# Altium PCB Digital_Optical.PcbDoc (part 3 of 3) (continued)
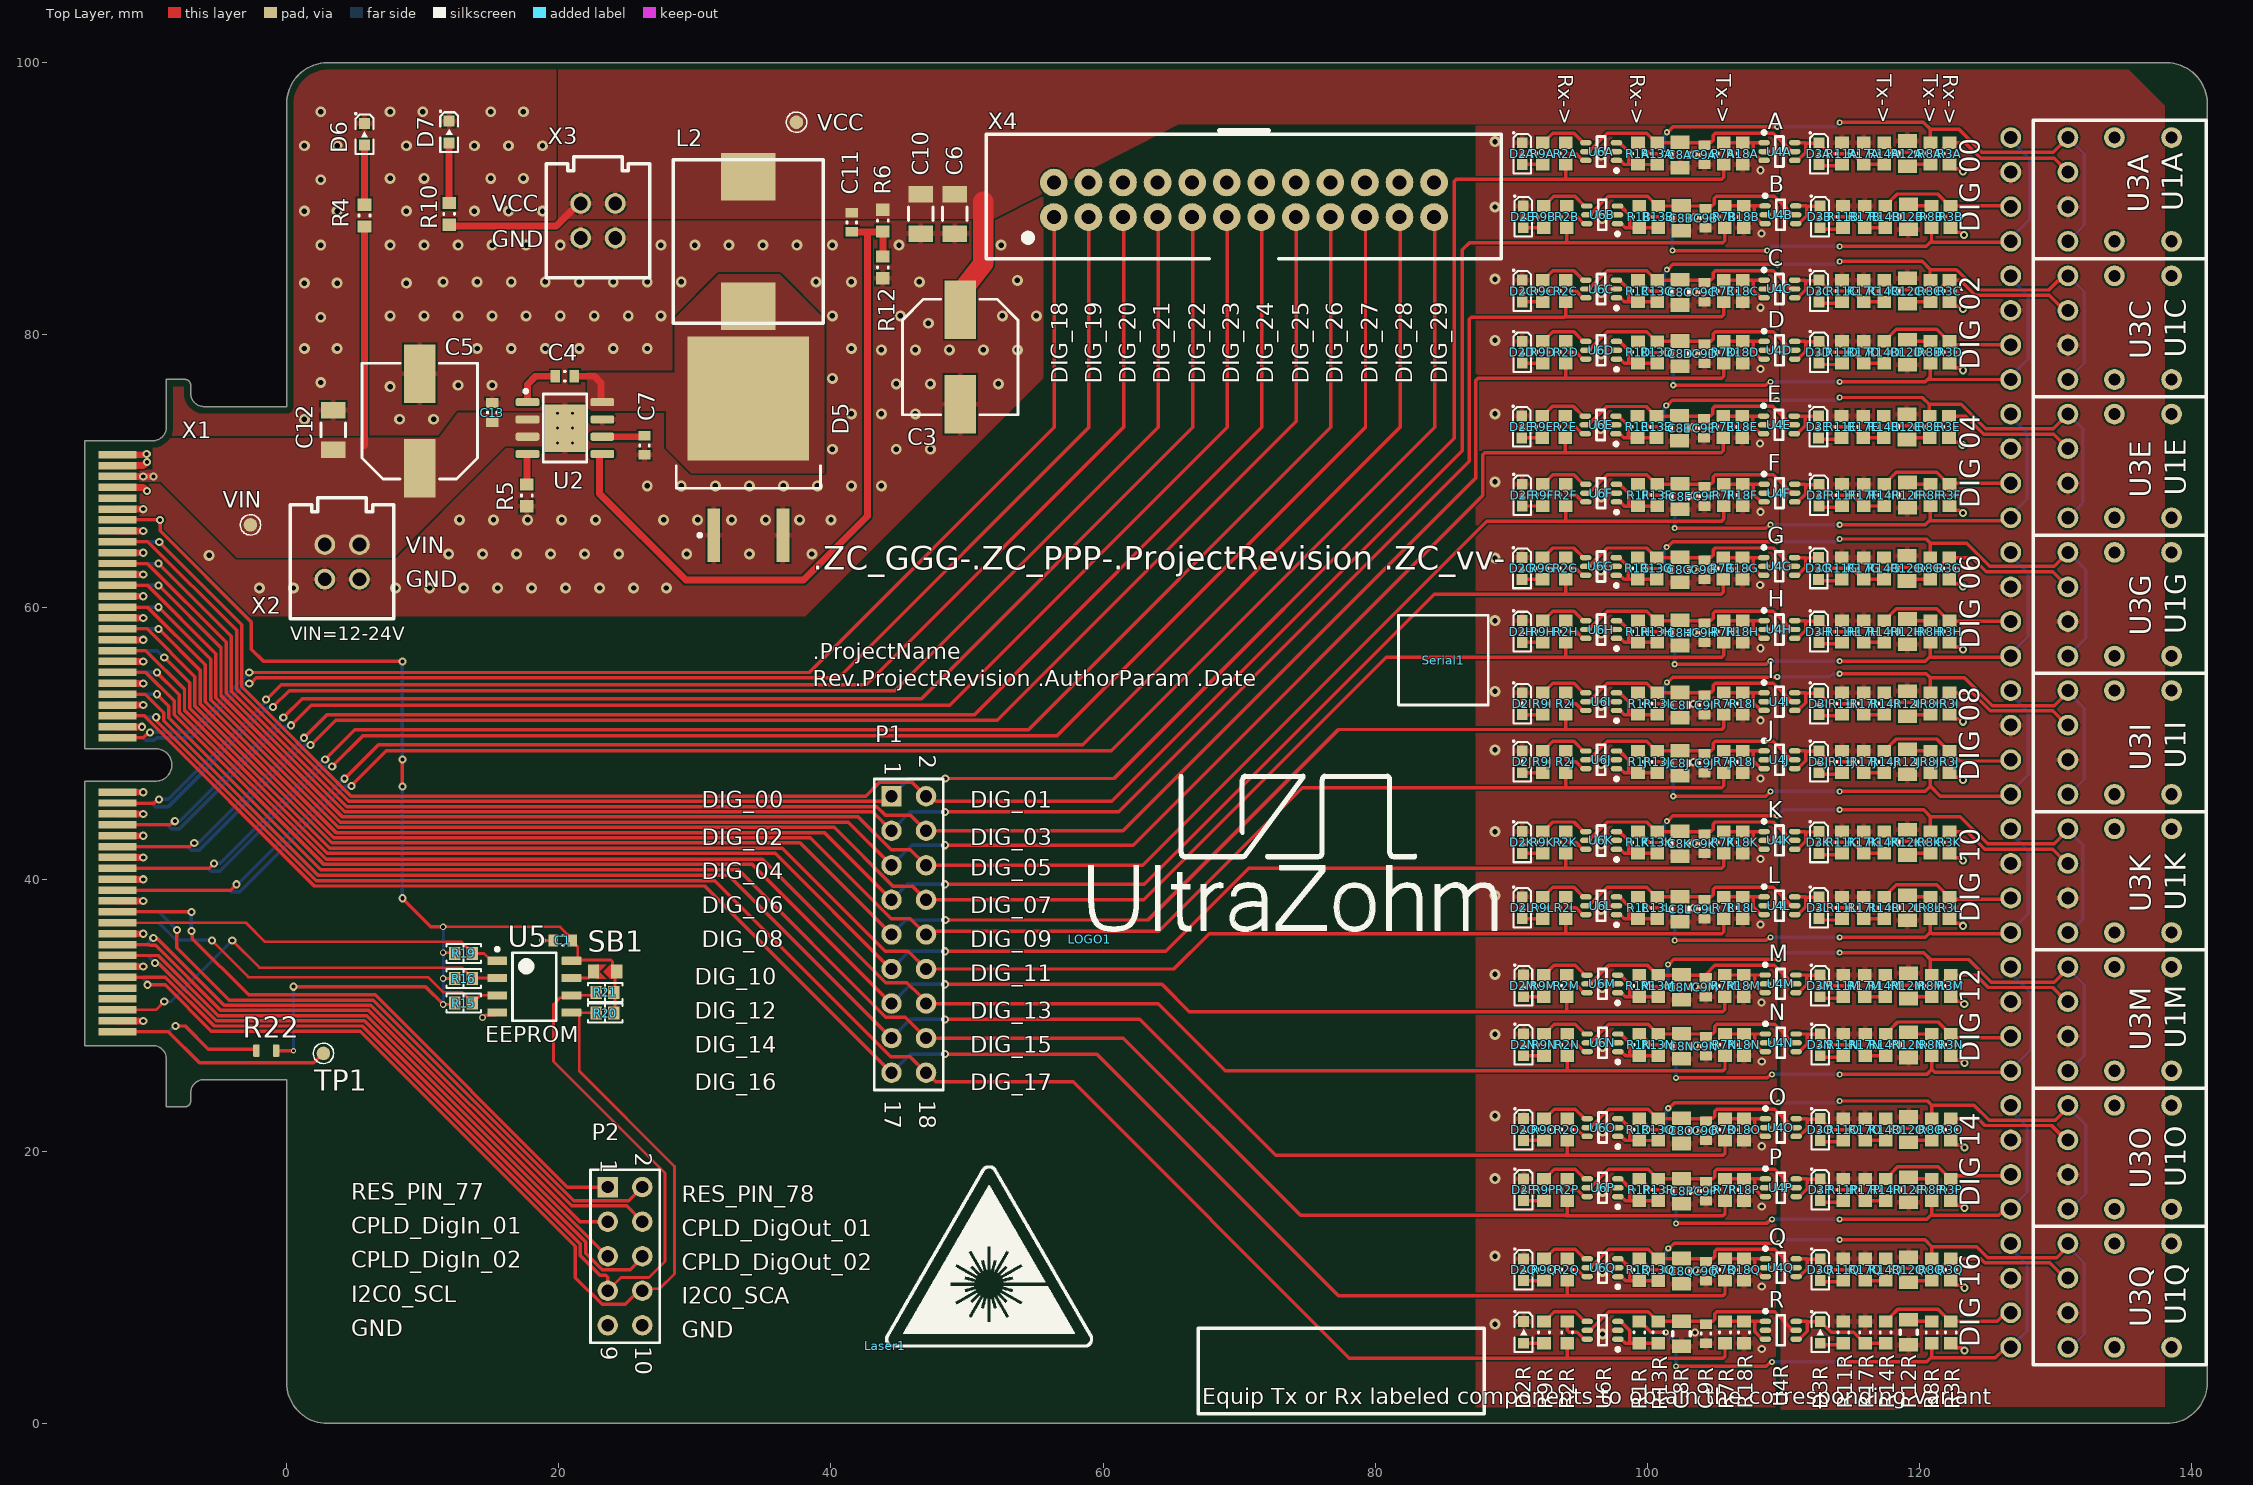
[diagram p0: Top Layer view]
## Nets (pads, with @x,y where several pads share a name; then routed paths per layer and width w, separated by ;. In a path a pad name is that pad's centre, name@x,y a point inside that pad or via, vN(x,y) a via of type N, cw(c..) or ccw(c..) an arc to the next point about the centre after c; other vN are vias at no path point) (continued)
  Bottom Layer w0.254: X1.30@-12.44,60 -12.431,59.991 v2(-9.414,59.991)
Signal8: P1.9 R2I.1 R7I.2 X1.33 | length 137
  Top Layer w0.254: X1.33@-12.44,58.4 -12.431,58.391 -10.259,58.391 -6.749,54.881 -6.749,52.726 3.31,42.668 37.723,42.668 P1.9@44.45,35.941 ; v2(48.4,37) 63.3,37 77.3,51 93.9,51 ; R2I.1@94,52.1 94,51.1 93.9,51 ; R7I.2@105.6,52.1 105.6,51.149 105.451,51 94,51 93.9,51
  Bottom Layer w0.254: P1.9@44.45,35.941 45.509,37 v2(48.4,37)
Signal9: P1.10 R2J.1 R7J.2 X1.34 | length 135.4
  Top Layer w0.254: v2(-9.414,58.391) -6.368,55.344 -6.368,52.884 3.467,43.049 38.462,43.049 44.415,37.096 45.835,37.096 P1.10@46.99,35.941 47.223,36.174 64.074,36.174 74.625,46.725 93.9,46.725 ; R2J.1@94,47.825 94,46.825 93.9,46.725 ; R7J.2@105.6,47.825 105.6,46.874 105.451,46.725 94,46.725 93.9,46.725
  Bottom Layer w0.254: X1.34@-12.44,58.391 v2(-9.414,58.391)
Signal10: P1.11 R2K.1 R7K.2 X1.37 | length 133.8
  Top Layer w0.254: X1.37@-12.44,56.8 -12.431,56.791 -10.356,56.791 -7.511,53.945 -7.511,52.411 2.994,41.906 35.894,41.906 P1.11@44.399,33.401 ; v2(48.375,34.7) 64.6,34.7 70.7,40.8 93.9,40.8 ; R2K.1@94,41.9 94,40.9 93.9,40.8 ; R7K.2@105.6,41.9 105.6,40.949 105.451,40.8 94,40.8 93.9,40.8
  Bottom Layer w0.254: P1.11@44.45,33.401 45.749,34.7 v2(48.375,34.7)
Signal11: P1.12 R2L.1 R7L.2 X1.38 | length 132.1
  Top Layer w0.254: v2(-9,56.3) -7.13,54.43 -7.13,52.568 3.152,42.287 36.413,42.287 44,34.7 45.691,34.7 P1.12@46.99,33.401 65.201,33.401 67.8,36 93.9,36 ; R2L.1@94,37.1 94,36.1 93.9,36 ; R7L.2@105.6,37.1 105.6,36.149 105.451,36 94,36 93.9,36
  Bottom Layer w0.254: X1.38@-12.44,56.8 -9.5,56.8 v2(-9,56.3)
Signal12: P1.13 R2M.1 R7M.2 X1.41 | length 132.4
  Top Layer w0.254: X1.41@-12.44,55.2 -12.424,55.216 -10.378,55.216 -8.273,53.11 -8.273,52.095 2.74,41.082 34.229,41.082 P1.13@44.45,30.861 ; v2(48.375,32.275) 64.325,32.275 66.342,30.258 93.983,30.258 ; R2M.1@94.083,31.358 94.083,30.358 93.983,30.258 ; R7M.2@105.683,31.358 105.683,30.407 105.534,30.258 94.083,30.258 93.983,30.258
  Bottom Layer w0.254: P1.13@44.45,30.861 45.864,32.275 v2(48.375,32.275)
Signal13: P1.14 R2N.1 R7N.2 X1.42 | length 132.4
  Top Layer w0.254: v2(-9.54,55.191) -7.892,53.543 -7.892,52.253 2.898,41.463 34.968,41.463 44.034,32.397 45.581,32.397 46.482,31.496 ; P1.14@46.99,30.861 64.039,30.861 68.975,25.925 94,25.925 ; R2N.1@94.1,27.025 94.1,26.025 94,25.925 ; R7N.2@105.7,27.025 105.7,26.074 105.551,25.925 94.1,25.925 94,25.925
  Bottom Layer w0.254: X1.42@-12.44,55.2 -12.436,55.196 -9.544,55.196 v2(-9.54,55.191)
Signal14: P1.15 R2O.1 R7O.2 X1.45 | length 135.8
  Top Layer w0.254: X1.45@-12.44,53.6 -10.4,53.6 -9.035,52.235 -9.035,51.635 2.3,40.3 32.471,40.3 P1.15@44.45,28.321 ; v2(48.375,29.7) 62.7,29.7 72.7,19.7 94,19.7 ; R2O.1@94.1,20.8 94.1,19.8 94,19.7 ; R7O.2@105.7,20.8 105.7,19.849 105.551,19.7 94.1,19.7 94,19.7
  Bottom Layer w0.254: P1.15@44.45,28.321 45.829,29.7 v2(48.375,29.7)
Signal15: P1.16 R2P.1 R7P.2 X1.46 | length 136.7
  Top Layer w0.254: v2(-9.54,53.594) -8.654,52.708 -8.654,51.854 2.514,40.686 33.205,40.686 44.034,29.857 45.454,29.857 P1.16@46.99,28.321 61.479,28.321 74.505,15.295 94.02,15.295 ; R2P.1@94.1,16.375 94.1,15.375 94,15.275 94.1,15.275 105.551,15.275 105.7,15.424 R7P.2@105.7,16.375
  Bottom Layer w0.254: X1.46@-12.437,53.597 -9.543,53.597 v2(-9.54,53.594)
Signal16: P1.17 R2Q.1 R7Q.2 X1.49 | length 139.1
  Top Layer w0.254: X1.49@-12.44,52 -10.478,52 2.022,39.5 30.731,39.5 P1.17@44.45,25.781 ; v2(48.375,27.15) 59.55,27.15 77.3,9.4 94,9.4 ; R2Q.1@94.1,10.5 94.1,9.5 94,9.4 ; R7Q.2@105.7,10.5 105.7,9.549 105.551,9.4 94.1,9.4 94,9.4
  Bottom Layer w0.254: P1.17@44.45,25.781 45.819,27.15 v2(48.375,27.15)
Signal17: P1.18 R2R.1 R7R.2 X1.50 | length 140
  Top Layer w0.254: v2(-9.589,51.903) -9.523,51.837 -9.523,51.584 2.161,39.9 31.451,39.9 44.389,26.962 45.809,26.962 P1.18@46.99,25.781 47.017,25.781 47.698,25.1 57.8,25.1 78.1,4.8 94,4.8 ; R2R.1@94.1,5.9 94.1,4.9 94,4.8 ; R7R.2@105.7,5.9 105.7,4.949 105.551,4.8 94.1,4.8 94,4.8
  Bottom Layer w0.254: X1.50@-12.44,52 -10.427,52 -10.329,51.903 v2(-9.589,51.903)
SW: C4.2 D5.4 L2.1 U2.8 | length 3.5
  Top Layer w0.508: C4.2@21.147,76.962 22.606,76.962 23.114,76.454 23.114,76.2 23.1,76.186 U2.8@23.1,75.1
TxA_N: D3A.1 R14A.1 R17A.1 U4A.4 U4A.6 | length 9
  Top Layer w0.254: U4A.4@110.825,92.825 111.05,92.825 111.63,93.405 111.63,94.095 ; U4A.6@110.825,94.125 111.6,94.125 111.63,94.095 ; R14A.1@117.4,92.525 R17A.1@115.9,92.525 115.85,92.525 115.05,93.325 113.4,93.325 D3A.1@112.6,94.125 112.57,94.095 111.63,94.095
TxB_N: D3B.1 R14B.1 R17B.1 U4B.4 U4B.6 | length 9
  Top Layer w0.254: U4B.4@110.9,88.175 111.125,88.175 111.705,88.755 111.705,89.445 ; U4B.6@110.9,89.475 111.675,89.475 111.705,89.445 ; R14B.1@117.475,87.875 R17B.1@115.975,87.875 115.925,87.875 115.125,88.675 113.475,88.675 D3B.1@112.675,89.475 112.645,89.445 111.705,89.445
TxC_N: D3C.1 R14C.1 R17C.1 U4C.4 U4C.6 | length 9
  Top Layer w0.254: U4C.4@110.825,82.725 111.05,82.725 111.63,83.305 111.63,83.995 ; U4C.6@110.825,84.025 111.6,84.025 111.63,83.995 ; R14C.1@117.4,82.425 R17C.1@115.9,82.425 115.85,82.425 115.05,83.225 113.4,83.225 D3C.1@112.6,84.025 112.57,83.995 111.63,83.995
TxD_N: D3D.1 R14D.1 R17D.1 U4D.4 U4D.6 | length 9
  Top Layer w0.254: U4D.4@110.825,78.225 111.05,78.225 111.631,78.805 111.631,79.495 ; U4D.6@110.825,79.525 111.6,79.525 111.631,79.495 ; R14D.1@117.4,77.925 R17D.1@115.9,77.925 115.85,77.925 115.05,78.725 113.4,78.725 D3D.1@112.6,79.525 112.57,79.495 111.631,79.495
TxE_N: D3E.1 R14E.1 R17E.1 U4E.4 U4E.6 | length 9
  Top Layer w0.254: U4E.4@110.786,72.736 111.011,72.736 111.591,73.316 111.591,74.006 ; U4E.6@110.786,74.036 111.561,74.036 111.591,74.006 ; R14E.1@117.361,72.436 R17E.1@115.861,72.436 115.811,72.436 115.011,73.236 113.361,73.236 D3E.1@112.561,74.036 112.531,74.006 111.591,74.006
TxF_N: D3F.1 R14F.1 R17F.1 U4F.4 U4F.6 | length 9
  Top Layer w0.254: U4F.4@110.825,67.725 111.05,67.725 111.63,68.305 111.63,68.995 ; U4F.6@110.825,69.025 111.6,69.025 111.63,68.995 ; R14F.1@117.4,67.425 R17F.1@115.9,67.425 115.85,67.425 115.05,68.225 113.4,68.225 D3F.1@112.6,69.025 112.57,68.995 111.63,68.995
TxG_N: D3G.1 R14G.1 R17G.1 U4G.4 U4G.6 | length 9
  Top Layer w0.254: U4G.4@110.811,62.336 111.036,62.336 111.616,62.916 111.616,63.606 ; U4G.6@110.811,63.636 111.586,63.636 111.616,63.606 ; R14G.1@117.386,62.036 R17G.1@115.886,62.036 115.836,62.036 115.036,62.836 113.386,62.836 D3G.1@112.586,63.636 112.556,63.606 111.616,63.606
TxH_N: D3H.1 R14H.1 R17H.1 U4H.4 U4H.6 | length 9
  Top Layer w0.254: U4H.4@110.825,57.7 111.05,57.7 111.63,58.28 111.63,58.97 ; U4H.6@110.825,59 111.6,59 111.63,58.97 ; R14H.1@117.4,57.4 R17H.1@115.9,57.4 115.85,57.4 115.05,58.2 113.4,58.2 D3H.1@112.6,59 112.57,58.97 111.63,58.97
TxI_N: D3I.1 R14I.1 R17I.1 U4I.4 U4I.6 | length 9
  Top Layer w0.254: U4I.4@110.825,52.4 111.05,52.4 111.63,52.98 111.63,53.67 ; U4I.6@110.825,53.7 111.6,53.7 111.63,53.67 ; R14I.1@117.4,52.1 R17I.1@115.9,52.1 115.85,52.1 115.05,52.9 113.4,52.9 D3I.1@112.6,53.7 112.57,53.67 111.63,53.67
TxJ_N: D3J.1 R14J.1 R17J.1 U4J.4 U4J.6 | length 9
  Top Layer w0.254: U4J.4@110.825,48.125 111.05,48.125 111.631,48.705 111.631,49.395 ; U4J.6@110.825,49.425 111.6,49.425 111.631,49.395 ; R14J.1@117.4,47.825 R17J.1@115.9,47.825 115.85,47.825 115.05,48.625 113.4,48.625 D3J.1@112.6,49.425 112.57,49.395 111.631,49.395
TxK_N: D3K.1 R14K.1 R17K.1 U4K.4 U4K.6 | length 9
  Top Layer w0.254: U4K.4@110.825,42.2 111.05,42.2 111.63,42.78 111.63,43.469 ; U4K.6@110.825,43.5 111.6,43.5 111.63,43.469 ; R14K.1@117.4,41.9 R17K.1@115.9,41.9 115.85,41.9 115.05,42.7 113.4,42.7 D3K.1@112.6,43.5 112.57,43.469 111.63,43.469
TxL_N: D3L.1 R14L.1 R17L.1 U4L.4 U4L.6 | length 9
  Top Layer w0.254: U4L.4@110.825,37.4 111.05,37.4 111.63,37.98 111.63,38.67 ; U4L.6@110.825,38.7 111.6,38.7 111.63,38.67 ; R14L.1@117.4,37.1 R17L.1@115.9,37.1 115.85,37.1 115.05,37.9 113.4,37.9 D3L.1@112.6,38.7 112.57,38.67 111.63,38.67
TxM_N: D3M.1 R14M.1 R17M.1 U4M.4 U4M.6 | length 9
  Top Layer w0.254: U4M.4@110.908,31.658 111.133,31.658 111.714,32.239 111.714,32.928 ; U4M.6@110.908,32.958 111.683,32.958 111.714,32.928 ; R14M.1@117.483,31.358 R17M.1@115.983,31.358 115.933,31.358 115.133,32.158 113.483,32.158 D3M.1@112.683,32.958 112.653,32.928 111.714,32.928
TxN_N: D3N.1 R14N.1 R17N.1 U4N.4 U4N.6 | length 9
  Top Layer w0.254: U4N.4@110.925,27.325 111.15,27.325 111.73,27.905 111.73,28.595 ; U4N.6@110.925,28.625 111.7,28.625 111.73,28.595 ; R14N.1@117.5,27.025 R17N.1@116,27.025 115.95,27.025 115.15,27.825 113.5,27.825 D3N.1@112.7,28.625 112.67,28.595 111.73,28.595
TxO_N: D3O.1 R14O.1 R17O.1 U4O.4 U4O.6 | length 9
  Top Layer w0.254: U4O.4@110.925,21.1 111.15,21.1 111.73,21.68 111.73,22.37 ; U4O.6@110.925,22.4 111.7,22.4 111.73,22.37 ; R14O.1@117.5,20.8 R17O.1@116,20.8 115.95,20.8 115.15,21.6 113.5,21.6 D3O.1@112.7,22.4 112.67,22.37 111.73,22.37
TxP_N: D3P.1 R14P.1 R17P.1 U4P.4 U4P.6 | length 9
  Top Layer w0.254: U4P.4@110.925,16.675 111.15,16.675 111.73,17.255 111.73,17.945 ; U4P.6@110.925,17.975 111.7,17.975 111.73,17.945 ; R14P.1@117.5,16.375 R17P.1@116,16.375 115.95,16.375 115.15,17.175 113.5,17.175 D3P.1@112.7,17.975 112.67,17.945 111.73,17.945
TxQ_N: D3Q.1 R14Q.1 R17Q.1 U4Q.4 U4Q.6 | length 9
  Top Layer w0.254: U4Q.4@110.925,10.8 111.15,10.8 111.73,11.38 111.73,12.07 ; U4Q.6@110.925,12.1 111.7,12.1 111.73,12.07 ; R14Q.1@117.5,10.5 R17Q.1@116,10.5 115.95,10.5 115.15,11.3 113.5,11.3 D3Q.1@112.7,12.1 112.67,12.07 111.73,12.07
TxR_N: D3R.1 R14R.1 R17R.1 U4R.4 U4R.6 | length 9
  Top Layer w0.254: U4R.4@110.925,6.2 111.15,6.2 111.73,6.78 111.73,7.47 ; U4R.6@110.925,7.5 111.7,7.5 111.73,7.47 ; R14R.1@117.5,5.9 R17R.1@116,5.9 115.95,5.9 115.15,6.7 113.5,6.7 D3R.1@112.7,7.5 112.67,7.47 111.73,7.47
VCC: C3.1 C6.2 C8A.1 C8B.1 C8C.1 C8D.1 C8E.1 C8F.1 C8G.1 C8H.1 C8I.1 C8J.1 C8K.1 C8L.1 C8M.1 C8N.1 C8O.1 C8P.1 C8Q.1 C8R.1 C9A.1 C9B.1 C9C.1 C9D.1 C9E.1 C9F.1 C9G.1 C9H.1 C9I.1 C9J.1 C9K.1 C9L.1 C9M.1 C9N.1 C9O.1 C9P.1 C9Q.1 C9R.1 C10.2 C11.1 L2.2 R6.2 R10.2 R11A.1 R11B.1 R11C.1 R11D.1 R11E.1 R11F.1 R11G.1 R11H.1 R11I.1 R11J.1 R11K.1 R11L.1 R11M.1 R11N.1 R11O.1 R11P.1 R11Q.1 R11R.1 R12A.1 R12B.1 R12C.1 R12D.1 R12E.1 R12F.1 R12G.1 R12H.1 R12I.1 R12J.1 R12K.1 R12L.1 R12M.1 R12N.1 R12O.1 R12P.1 R12Q.1 R12R.1 R13A.1 R13B.1 R13C.1 R13D.1 R13E.1 R13F.1 R13G.1 R13H.1 R13I.1 R13J.1 R13K.1 R13L.1 R13M.1 R13N.1 R13O.1 R13P.1 R13Q.1 R13R.1 R17A.2 R17B.2 R17C.2 R17D.2 R17E.2 R17F.2 R17G.2 R17H.2 R17I.2 R17J.2 R17K.2 R17L.2 R17M.2 R17N.2 R17O.2 R17P.2 R17Q.2 R17R.2 U1A.3 U1B.3 U1C.3 U1D.3 U1E.3 U1F.3 U1G.3 U1H.3 U1I.3 U1J.3 U1K.3 U1L.3 U1M.3 U1N.3 U1O.3 U1P.3 U1Q.3 U1R.3 U3A.3 U3B.3 U3C.3 U3D.3 U3E.3 U3F.3 U3G.3 U3H.3 U3I.3 U3J.3 U3K.3 U3L.3 U3M.3 U3N.3 U3O.3 U3P.3 U3Q.3 U3R.3 U4A.5 U4B.5 U4C.5 U4D.5 U4E.5 U4F.5 U4G.5 U4H.5 U4I.5 U4J.5 U4K.5 U4L.5 U4M.5 U4N.5 U4O.5 U4P.5 U4Q.5 U4R.5 U6A.5 U6B.5 U6C.5 U6D.5 U6E.5 U6F.5 U6G.5 U6H.5 U6I.5 U6J.5 U6K.5 U6L.5 U6M.5 U6N.5 U6O.5 U6P.5 U6Q.5 U6R.5 VCC.1 X3.3 X3.4 | length 335.8
  Top Layer w0.254: U6E.5@95.437,73.384 95.662,73.384 97.016,74.738 99.916,74.738 100.62,74.034 C8E.1@102.346,74.034 ; U6G.5@95.462,62.984 95.687,62.984 97.041,64.338 99.941,64.338 100.646,63.634 C8G.1@102.371,63.634 ; U6L.5@95.476,38.048 95.701,38.048 97.055,39.402 99.955,39.402 100.659,38.698 C8L.1@102.385,38.698 ; U6K.5@95.476,42.848 95.701,42.848 97.055,44.202 99.955,44.202 100.659,43.498 C8K.1@102.385,43.498 ; U6J.5@95.476,48.773 95.701,48.773 97.055,50.127 99.956,50.127 100.66,49.423 C8J.1@102.385,49.423 ; U6I.5@95.476,53.048 95.701,53.048 97.055,54.402 99.955,54.402 100.659,53.698 C8I.1@102.385,53.698 ; U6H.5@95.476,58.348 95.701,58.348 97.055,59.702 99.955,59.702 100.659,58.998 C8H.1@102.385,58.998 ; U6F.5@95.476,68.373 95.701,68.373 97.055,69.727 99.955,69.727 100.659,69.023 C8F.1@102.385,69.023 ; U6D.5@95.476,78.873 95.701,78.873 97.055,80.227 99.956,80.227 100.66,79.523 C8D.1@102.385,79.523 ; U6C.5@95.476,83.373 95.701,83.373 97.055,84.727 99.955,84.727 100.659,84.023 C8C.1@102.385,84.023 ; U6A.5@95.476,93.473 95.701,93.473 97.055,94.827 99.955,94.827 100.659,94.123 C8A.1@102.385,94.123 ; U6B.5@95.551,88.823 95.776,88.823 97.13,90.177 100.03,90.177 100.735,89.473 C8B.1@102.46,89.473 ; U6M.5@95.56,32.306 95.785,32.306 97.139,33.66 100.039,33.66 100.743,32.956 102.468,32.956 C9M.1@104.283,32.956 ; U6R.5@95.576,6.848 95.801,6.848 97.155,8.202 100.055,8.202 100.759,7.498 C8R.1@102.485,7.498 ; U6Q.5@95.576,11.448 95.801,11.448 97.155,12.802 100.055,12.802 100.759,12.098 C8Q.1@102.485,12.098 ; U6P.5@95.576,17.323 95.801,17.323 97.155,18.677 100.055,18.677 100.759,17.973 C8P.1@102.485,17.973 ; U6O.5@95.576,21.748 95.801,21.748 97.155,23.102 100.055,23.102 100.759,22.398 C8O.1@102.485,22.398 ; U6N.5@95.576,27.973 95.801,27.973 97.155,29.327 100.055,29.327 100.759,28.623 C8N.1@102.485,28.623 ; C8E.1@102.37,74.059 C8E.1@102.346,74.034 ; C8G.1@102.396,63.659 C8G.1@102.371,63.634 ; C8L.1@102.41,38.723 C8L.1@102.385,38.698 ; C8K.1@102.41,43.523 C8K.1@102.385,43.498 ; C8J.1@102.41,49.448 C8J.1@102.385,49.423 ; C8I.1@102.41,53.723 C8I.1@102.385,53.698 ; C8H.1@102.41,59.023 C8H.1@102.385,58.998 ; C8F.1@102.41,69.048 C8F.1@102.385,69.023 ; C8D.1@102.41,79.548 C8D.1@102.385,79.523 ; C8C.1@102.41,84.048 C8C.1@102.385,84.023 ; C8A.1@102.41,94.148 C8A.1@102.385,94.123 ; C8B.1@102.485,89.498 C8B.1@102.46,89.473 ; C8R.1@102.51,7.523 C8R.1@102.485,7.498 ; C8Q.1@102.51,12.123 C8Q.1@102.485,12.098 ; C8P.1@102.51,17.998 C8P.1@102.485,17.973 ; C8O.1@102.51,22.423 C8O.1@102.485,22.398 ; C8N.1@102.51,28.648 C8N.1@102.485,28.623 ; C9E.1@103.95,74.046 C9E.1@104.161,73.836 ; C9G.1@103.976,63.646 C9G.1@104.186,63.436 ; C9L.1@103.989,38.71 C9L.1@104.2,38.5 ; C9K.1@103.989,43.51 C9K.1@104.2,43.3 ; C9J.1@103.99,49.435 C9J.1@104.2,49.225 ; C9I.1@103.989,53.71 C9I.1@104.2,53.5 ; C9H.1@103.989,59.01 C9H.1@104.2,58.8 ; C9F.1@103.989,69.035 C9F.1@104.2,68.825 ; C9D.1@103.99,79.536 C9D.1@104.2,79.325 ; C9C.1@103.989,84.035 C9C.1@104.2,83.825 ; C9A.1@103.989,94.135 C9A.1@104.2,93.925 ; C9B.1@104.065,89.485 C9B.1@104.275,89.275 ; C9R.1@104.089,7.511 C9R.1@104.3,7.3 ; C9Q.1@104.089,12.111 C9Q.1@104.3,11.9 ; C9P.1@104.089,17.985 C9P.1@104.3,17.775 ; C9O.1@104.089,22.411 C9O.1@104.3,22.2 ; C9N.1@104.089,28.635 C9N.1@104.3,28.425 ; C9M.1@104.283,32.983 104.962,33.662 109.329,33.662 110.635,32.356 110.86,32.356 U4M.5@110.908,32.308 ; U4E.5@110.786,73.386 110.738,73.434 110.513,73.434 109.207,74.74 104.956,74.74 104.807,74.591 104.807,74.208 104.658,74.059 103.963,74.059 103.938,74.034 C8E.1@102.346,74.034 ; U4G.5@110.811,62.986 110.763,63.034 110.538,63.034 109.232,64.34 104.981,64.34 104.832,64.191 104.832,63.808 104.683,63.659 103.988,63.659 103.963,63.634 C8G.1@102.371,63.634 ; U4L.5@110.825,38.05 110.777,38.098 110.552,38.098 109.246,39.404 104.995,39.404 104.846,39.255 104.846,38.872 104.697,38.723 104.002,38.723 103.977,38.698 C8L.1@102.385,38.698 ; U4K.5@110.825,42.85 110.777,42.898 110.552,42.898 109.246,44.204 104.995,44.204 104.846,44.055 104.846,43.672 104.697,43.523 104.002,43.523 103.977,43.498 C8K.1@102.385,43.498 ; U4J.5@110.825,48.775 110.777,48.823 110.552,48.823 109.246,50.129 104.995,50.129 104.846,49.98 104.846,49.597 104.697,49.448 104.002,49.448 103.977,49.423 C8J.1@102.385,49.423 ; U4I.5@110.825,53.05 110.777,53.098 110.552,53.098 109.246,54.404 104.995,54.404 104.846,54.255 104.846,53.872 104.697,53.723 104.002,53.723 103.977,53.698 C8I.1@102.385,53.698 ; U4H.5@110.825,58.35 110.777,58.398 110.552,58.398 109.246,59.704 104.995,59.704 104.846,59.555 104.846,59.172 104.697,59.023 104.002,59.023 103.977,58.998 C8H.1@102.385,58.998 ; U4F.5@110.825,68.375 110.777,68.423 110.552,68.423 109.246,69.729 104.995,69.729 104.846,69.58 104.846,69.197 104.697,69.048 104.002,69.048 103.977,69.023 C8F.1@102.385,69.023 ; U4D.5@110.825,78.875 110.777,78.923 110.552,78.923 109.246,80.229 104.995,80.229 104.846,80.08 104.846,79.697 104.697,79.548 104.002,79.548 103.977,79.523 C8D.1@102.385,79.523 ; U4C.5@110.825,83.375 110.777,83.423 110.552,83.423 109.246,84.729 104.995,84.729 104.846,84.58 104.846,84.197 104.697,84.048 104.002,84.048 103.977,84.023 C8C.1@102.385,84.023 ; U4A.5@110.825,93.475 110.777,93.523 110.552,93.523 109.246,94.829 104.995,94.829 104.846,94.68 104.846,94.297 104.697,94.148 104.002,94.148 103.977,94.123 C8A.1@102.385,94.123 ; U4B.5@110.9,88.825 110.852,88.873 110.627,88.873 109.321,90.179 105.07,90.179 104.921,90.03 104.921,89.647 104.772,89.498 104.077,89.498 104.052,89.473 C8B.1@102.46,89.473 ; U4R.5@110.925,6.85 110.877,6.898 110.652,6.898 109.346,8.204 105.095,8.204 104.946,8.055 104.946,7.672 104.797,7.523 104.102,7.523 104.077,7.498 C8R.1@102.485,7.498 ; U4Q.5@110.925,11.45 110.877,11.498 110.652,11.498 109.346,12.804 105.095,12.804 104.946,12.655 104.946,12.272 104.797,12.123 104.102,12.123 104.077,12.098 C8Q.1@102.485,12.098 ; U4P.5@110.925,17.325 110.877,17.373 110.652,17.373 109.346,18.679 105.095,18.679 104.946,18.53 104.946,18.147 104.797,17.998 104.102,17.998 104.077,17.973 C8P.1@102.485,17.973 ; U4O.5@110.925,21.75 110.877,21.798 110.652,21.798 109.346,23.104 105.095,23.104 104.946,22.955 104.946,22.572 104.797,22.423 104.102,22.423 104.077,22.398 C8O.1@102.485,22.398 ; U4N.5@110.925,27.975 110.877,28.023 110.652,28.023 109.346,29.329 105.095,29.329 104.946,29.18 104.946,28.797 104.797,28.648 104.102,28.648 104.077,28.623 C8N.1@102.485,28.623
  Top Layer w0.508: R10.2@11.811,88.011 19.811,88.011 X3.4@21.757,89.957
  Top Layer w1.5: C3.1@49.5,81.85 49.367,82.909 51.2,85.271 51.2,89.8 ; C3.1@49.7,83.339 cw(c50.887,82.421) C3.1@49.703,83.342
VIN: C5.1 C12.2 C13.2 R4.2 U2.2 U2.3 VIN.1 X1.5 X1.6 X2.3 X2.4 | length 20.7
  Top Layer w0.508: X1.5@-12.44,69.591 X1.5@-12.438,69.593 ; X1.5@-12.44,69.6 -12.436,69.596 v2(-9.779,69.596) ; 5.715,71.882 R4.2@5.715,87.973
  Bottom Layer w0.508: X1.6@-12.44,69.591 -10.546,69.591 v2(-10.541,69.596)
pads on no net: U1A.5 U1A.8 U1B.5 U1B.8 U1C.5 U1C.8 U1D.5 U1D.8 U1E.5 U1E.8 U1F.5 U1F.8 U1G.5 U1G.8 U1H.5 U1H.8 U1I.5 U1I.8 U1J.5 U1J.8 U1K.5 U1K.8 U1L.5 U1L.8 U1M.5 U1M.8 U1N.5 U1N.8 U1O.5 U1O.8 U1P.5 U1P.8 U1Q.5 U1Q.8 U1R.5 U1R.8 U3A.5 U3A.8 U3B.5 U3B.8 U3C.5 U3C.8 U3D.5 U3D.8 U3E.5 U3E.8 U3F.5 U3F.8 U3G.5 U3G.8 U3H.5 U3H.8 U3I.5 U3I.8 U3J.5 U3J.8 U3K.5 U3K.8 U3L.5 U3L.8 U3M.5 U3M.8 U3N.5 U3N.8 U3O.5 U3O.8 U3P.5 U3P.8 U3Q.5 U3Q.8 U3R.5 U3R.8 X1.9 X1.10 X1.91 X1.92 X1.93 X1.94 X1.96

## Polygon pours and split planes (outlines as drawn)
GND on Top Layer "GND_L01_P042" (solid, pour order 42): 109.841,95.55 87.4,95.55 87.4,1.2 109.402,1.2
VCC on Top Layer "TOP_VCC" (solid, pour order 29): 51.958,88.519 65.554,95.494 91.05,95.494 97.625,95.494 109.801,95.494 109.792,1 118.365,1 118.365,1.223 125.1,1.223 138,1.223 138,96.847 135.342,99.504 19.939,99.504 19.939,88.519
GND on Top Layer "GND_L01_P037" (solid, pour order 37): -10.795,65.151 -10.795,76.708 -10.414,77.089 0.5,77.089 0.5,98.798 1.206,99.504 55.6,99.504 55.6,76.8 38.109,59.309 -4.542,59.309
VIN on Top Layer "VIN_L01_P033" (solid, pour order 33): -10.795,69.215 -10.795,70.104 -9.853,70.104 -9.853,72.39 11.212,72.49 12.573,74.295 16.891,74.295 18.8,74.295 18.8,71.8 16.047,71.8 14.859,70.612 7.874,63.627 -3.683,63.627 -9.271,69.215
SW on Top Layer "SW_L01_P028" (solid, pour order 28): 22.1,74.7 22.378,74.422 27.9,74.422 27.9,71.684 29.734,69.85 39.513,69.85 39.513,81.174 36.232,84.455 31.746,84.455 28.527,81.237 28.527,77.237 22.1,77.237
GND on Bottom Layer "GND_L02_P018" (solid, pour order 18): 0.265,25.074 0.278,25.061 0.278,-0.201 3.991,-0.201 136.7,-0.201 136.7,99.799 3.992,99.799 0.309,99.799 0.265,74.524 -5.795,74.524 cw(c-5.795,75.524) -6.795,75.524 -6.795,76.124 ccw(c-7.195,76.124) -7.195,76.524 -8.575,76.524 -8.575,73.024 cw(c-9.575,73.024) -9.575,72.024 -13.589,72.024 -13.589,49.399 -9.375,49.399 cw(c-9.375,48.199) -9.375,46.999 -13.589,46.999 -13.589,27.574 -9.575,27.574 cw(c-9.575,26.574) -8.575,26.574 -8.575,23.074 -7.195,23.074 ccw(c-7.195,23.474) -6.795,23.474 -6.795,24.074 cw(c-5.795,24.074) -5.795,25.074

## Silkscreen, mask and mechanical layers (free items; w line width, h text height)
Top Overlay:
  lines w0.254: 67,0.7 88,0.7 88,7 67,7 67,0.7
  text "Rx->" at 93.454,99.146 h1.1 r270
  text "Rx->" at 98.754,99.146 h1.1 r270
  text "Tx->" at 105.054,99.146 h1.1 r270
  text "Tx->" at 116.854,99.146 h1.1 r270
  text "Tx->" at 120.254,99.146 h1.1 r270
  text "Rx->" at 121.754,99.146 h1.1 r270
  text "A" at 108.829,95.129 h1.2
  text "B" at 108.904,90.479 h1.2
  text "VCC" at 15.054,89.054 h1.2
  text "DIG 00" at 124.927,87.544 h2.54 r90
  text "GND" at 15.054,86.454 h1.2
  text "C" at 108.829,85.029 h1.2
  text "D" at 108.829,80.529 h1.2
  text "DIG 02" at 124.927,77.444 h2.54 r90
  text "DIG_18" at 57.4,76.4 h1.2 r90
  text "DIG_19" at 59.9,76.4 h1.2 r90
  text "DIG_20" at 62.4,76.4 h1.2 r90
  text "DIG_21" at 64.9,76.4 h1.2 r90
  text "DIG_22" at 67.5,76.4 h1.2 r90
  text "DIG_23" at 70,76.4 h1.2 r90
  text "DIG_24" at 72.5,76.4 h1.2 r90
  text "DIG_25" at 75.1,76.4 h1.2 r90
  text "DIG_26" at 77.6,76.4 h1.2 r90
  text "DIG_27" at 80.2,76.4 h1.2 r90
  text "DIG_28" at 82.7,76.4 h1.2 r90
  text "DIG_29" at 85.3,76.4 h1.2 r90
  text "E" at 108.79,75.04 h1.2
  text "F" at 108.829,70.029 h1.2
  text "DIG 04" at 124.927,67.244 h2.54 r90
  text "G" at 108.815,64.64 h1.2
  text "VIN" at 8.754,63.954 h1.2
  text "GND" at 8.754,61.454 h1.2
  text "H" at 108.829,60.004 h1.2
  text "VIN=12-24V" at 0.254,57.554 h1
  text "DIG 06" at 124.927,56.944 h2.54 r90
  text "I" at 108.829,54.779 h1.2
  text "J" at 108.829,50.429 h1.2
  text "DIG 08" at 124.9,47.244 h2.54 r90
  text "DIG_00" at 30.5,45.25 h1.2
  text "DIG_01" at 50.25,45.25 h1.2
  text "K" at 108.829,44.504 h1.2
  text "DIG_02" at 30.5,42.5 h1.2
  text "DIG_03" at 50.25,42.5 h1.2
  text "DIG_05" at 50.25,40.25 h1.2
  text "DIG_04" at 30.5,40 h1.2
  text "L" at 108.829,39.704 h1.2
  text "DIG_06" at 30.5,37.5 h1.2
  text "DIG_07" at 50.25,37.5 h1.2
  text "DIG 10" at 124.927,36.844 h2.54 r90
  text "DIG_08" at 30.5,35 h1.2
  text "DIG_09" at 50.25,35 h1.2
  text "M" at 108.912,33.962 h1.2
  text "DIG_11" at 50.25,32.5 h1.2
  text "DIG_10" at 30,32.25 h1.2
  text "DIG_12" at 30,29.75 h1.2
  text "DIG_13" at 50.25,29.75 h1.2
  text "N" at 108.929,29.629 h1.2
  text "EEPROM" at 14.6,27.6 h2
  text "DIG_14" at 30,27.25 h1.2
  text "DIG_15" at 50.25,27.25 h1.2
  text "DIG 12" at 124.927,26.544 h2.54 r90
  text "DIG_16" at 30,24.5 h1.2
  text "DIG_17" at 50.25,24.5 h1.2
  text "O" at 108.929,23.404 h1.2
  text "P" at 108.929,18.979 h1.2
  text "RES_PIN_77" at 4.73,16.461 h1.2
  text "RES_PIN_78" at 29.038,16.254 h1.2
  text "DIG 14" at 124.927,15.944 h2.54 r90
  text "CPLD_DigIn_01" at 4.73,13.949 h1.2
  text "CPLD_DigOut_01" at 29.038,13.765 h1.2
  text "Q" at 108.929,13.104 h1.2
  text "CPLD_DigIn_02" at 4.73,11.437 h1.2
  text "CPLD_DigOut_02" at 29.038,11.277 h1.2
  text "I2C0_SCL" at 4.73,8.925 h1.2
  text "I2C0_SCA" at 29.038,8.789 h1.2
  text "R" at 108.929,8.504 h1.2
  text "GND" at 4.73,6.414 h1.2
  text "GND" at 29.038,6.3 h1.2
  text "DIG 16" at 124.927,5.6 h2.54 r90
  text "Equip Tx or Rx labeled components to obtain the corresponding variant" at 67.3,1 h2
Bottom Overlay:
  text "DIG 01" at 120.304,94.131 h2.54 r90
  text "DIG 03" at 120.304,83.731 h2.54 r90
  text "DIG 05" at 120.304,73.731 h2.54 r90
  text "DIG 07" at 120.304,63.531 h2.54 r90
  text "DIG 09" at 120.3,53.831 h2.54 r90
  text "DIG 11" at 120.304,43.331 h2.54 r90
  text "DIG 13" at 120.304,33.131 h2.54 r90
  text "DIG 15" at 120.304,22.531 h2.54 r90
  text "DIG 17" at 120.304,12.331 h2.54 r90
  text "JLCJLCJLCJLC" at 138.64,0.66 h0.81
Mechanical 1:
  the board outline again, w0.05

## Dimensions
141.023,-0.098 to 141.023,99.902 on Mechanical 2
141.141,100 to 0.031,100 on Mechanical 2
141.199,102.286 to -14.795,74.511 on Mechanical 2
146.143,97.802 to -14.84,72.225 on Mechanical 2
141.075,95.796 to 141.141,100 on Mechanical 2
141.141,0 to 141.069,4.113 on Mechanical 2
141.141,100 to 56.38,88.66 on Mechanical 2
141.091,99.6 to 23.876,92.583 on Mechanical 2

## Text inside footprints (layer, text, board x,y; h text height)
P1: Top Overlay "1" at 43.942,48.641 h1.2 r270; Top Overlay "18" at 46.482,23.749 h1.2 r270; Top Overlay "17" at 43.942,23.749 h1.2 r270; Top Overlay "2" at 46.482,49.149 h1.2 r270
P2: Top Overlay "10" at 25.629,5.69 h1.2 r270; Top Overlay "9" at 23.089,5.69 h1.2 r270; Top Overlay "1" at 23.089,19.406 h1.2 r270; Top Overlay "2" at 25.629,19.914 h1.2 r270
Serial1: Mechanical 5 "SerialNr" at 82.5,57.8 h0.7